# Altium PCB motordriver-v5.1.PcbDoc (part 7 of 8)
Units mil, origin at the board's own origin, x right, y up, seen from the top; angles counter-clockwise.
Board outline 4531.01 x 6141.73 mil, 6 copper layers (Top Copper, GND Layer 1, Signal Layer 1, Signal Layer 2, PWR Layer, Bottom Copper), stack 58.2 mil thick; 748 components, 531 nets, 2475 pads, 1059 vias.
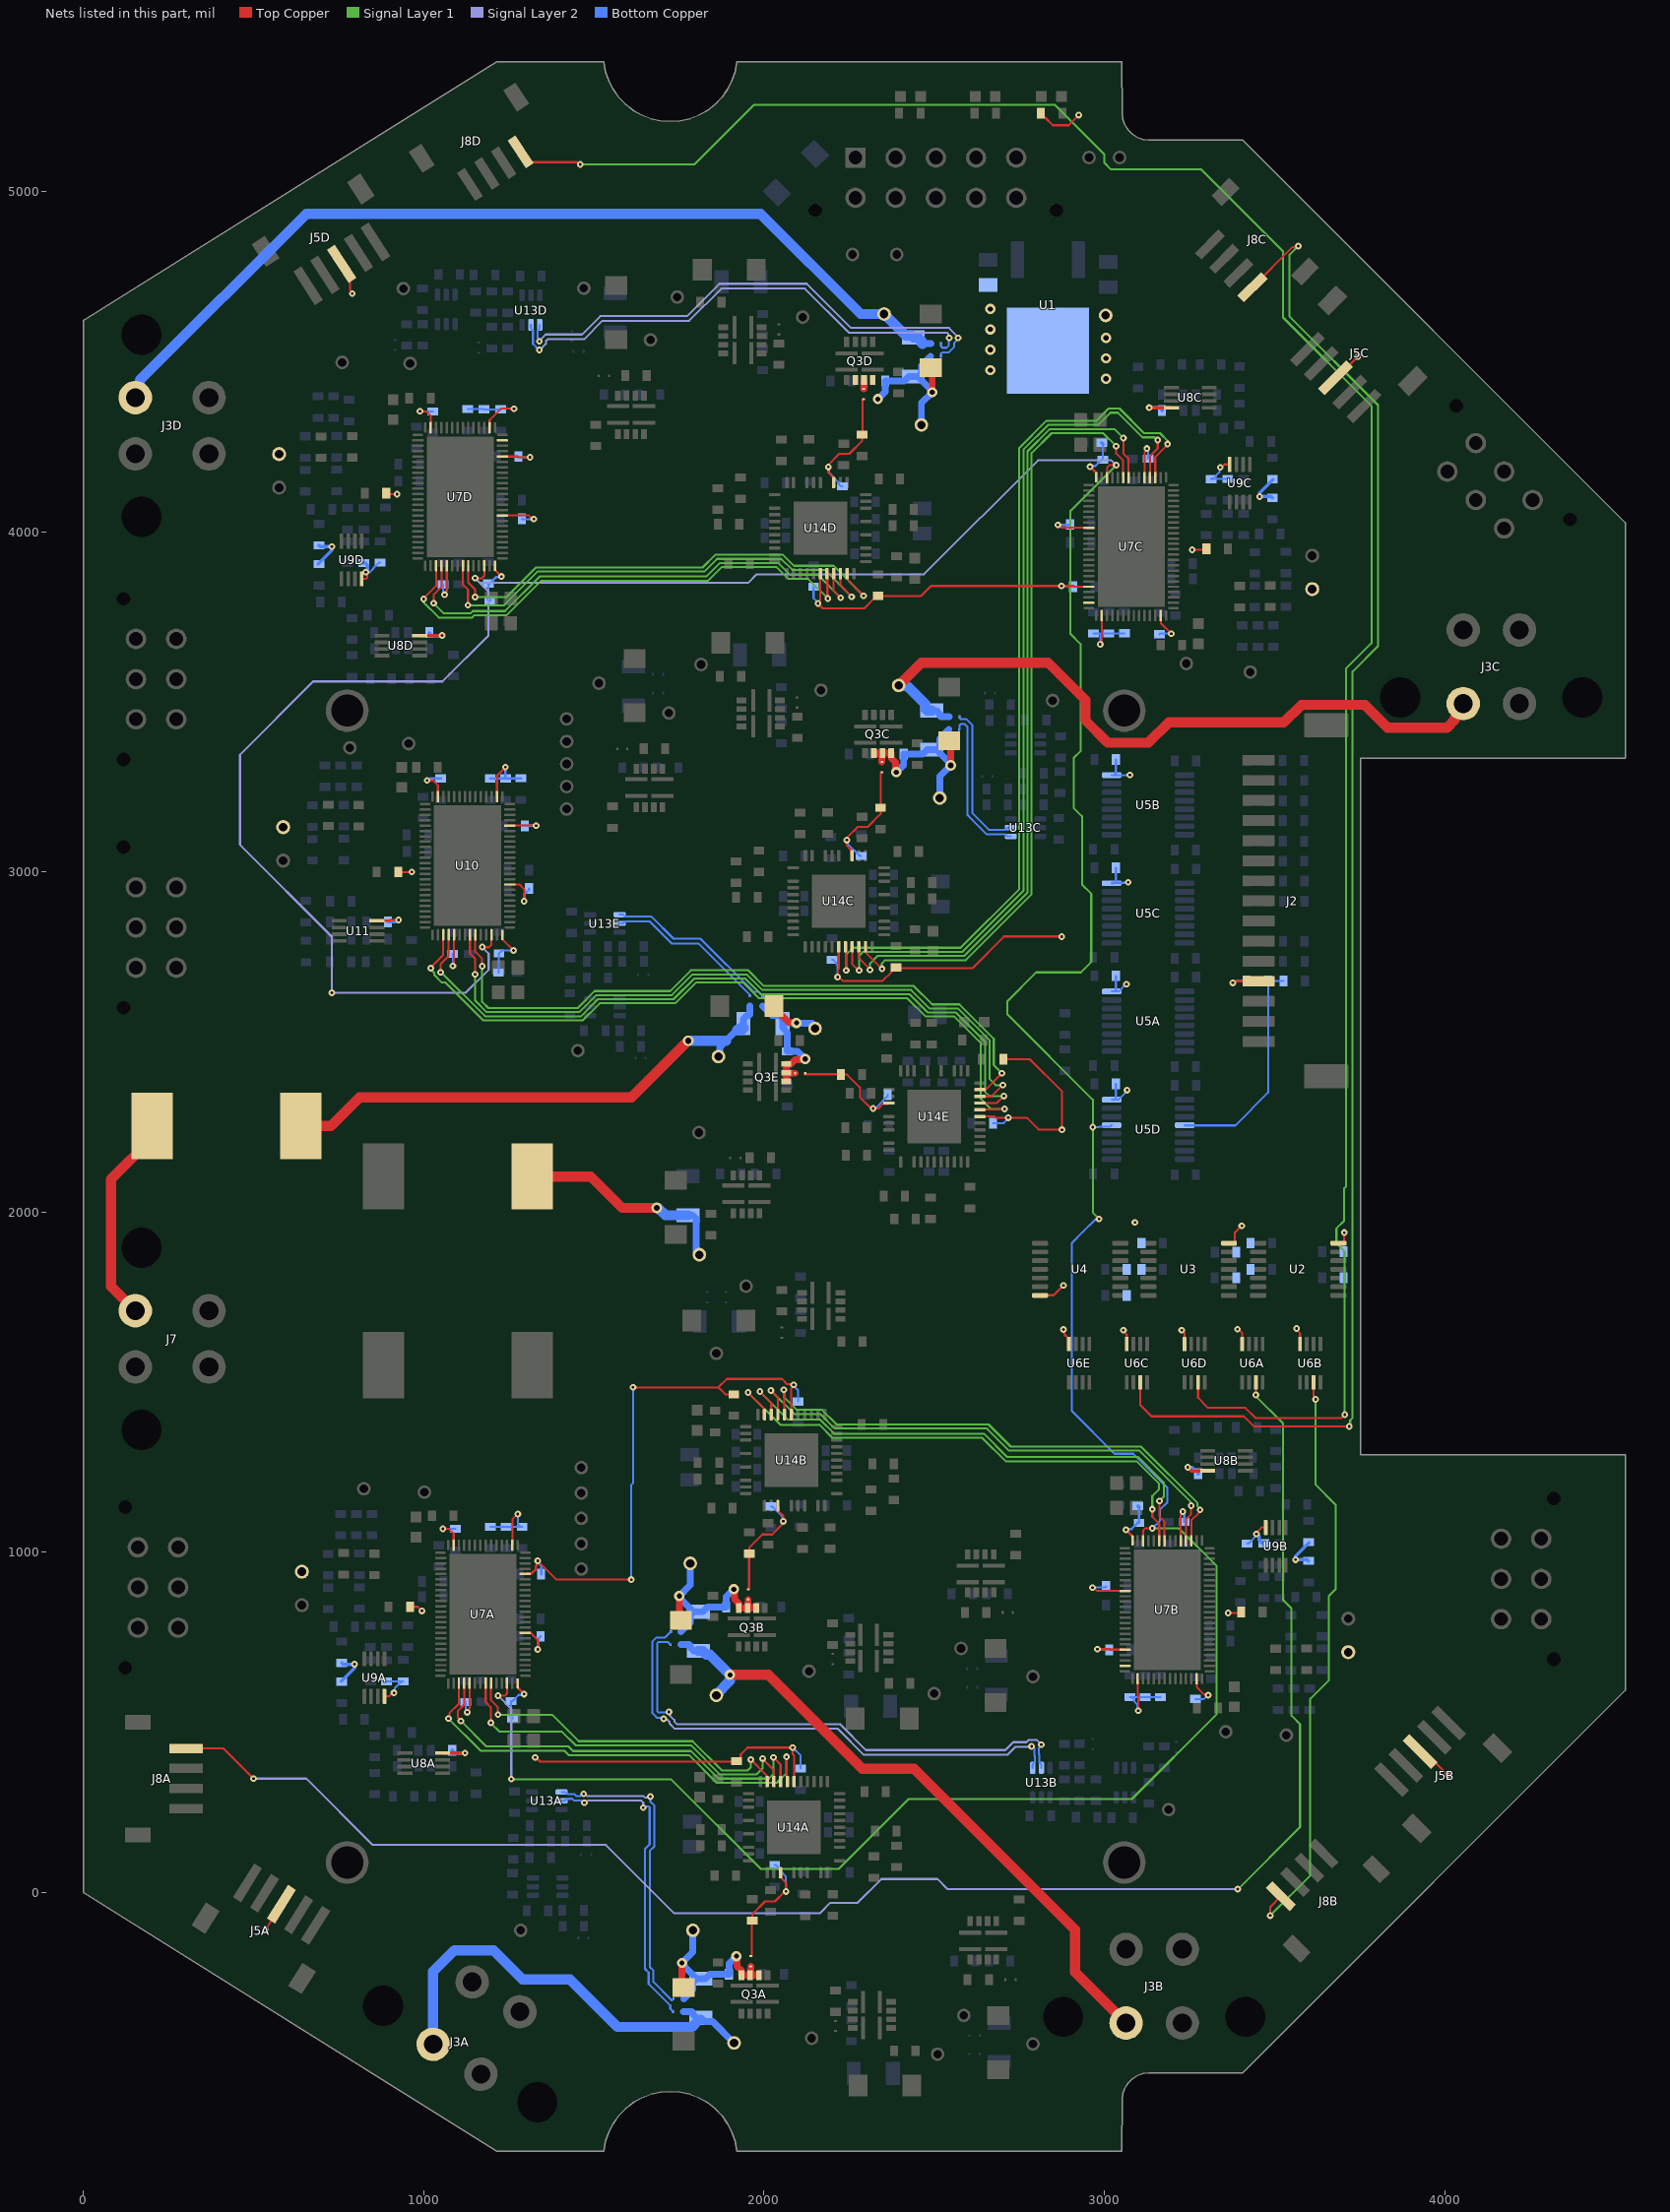
[diagram p11: the nets of this part, all layers, seen from the top]

## Via types
v1: diameter 19.68, hole 7.87, Top Copper to Bottom Copper, tented both sides, 714 vias
v2: diameter 19.68, hole 7.87, Top Copper to Bottom Copper, 243 vias
v3: diameter 30, hole 15, Top Copper to Bottom Copper, tented both sides, 73 vias
v4: diameter 31.5, hole 17.72, Top Copper to Bottom Copper, tented both sides, 29 vias

## Nets (pads, with @x,y where several pads share a name; then routed paths per layer and width w, separated by ;. In a path a pad name is that pad's centre, name@x,y a point inside that pad or via, vN(x,y) a via of type N, cw(c..) or ccw(c..) an arc to the next point about the centre after c; other vN are vias at no path point) (continued)
VDD: C2.2 C4A.2 C4B.2 C4C.2 C4D.2 C10A.2 C10B.2 C10C.2 C10D.2 C14A.2 C14B.2 C14C.2 C14D.2 C23A.2 C23B.2 C23C.2 C23D.2 C24A.2 C24B.2 C24C.2 C24D.2 C25A.2 C25B.2 C25C.2 C25D.2 C26A.2 C26B.2 C26C.2 C26D.2 C27A.2 C27B.2 C27C.2 C27D.2 C28A.2 C28B.2 C28C.2 C28D.2 C29A.2 C29B.2 C29C.2 C29D.2 C30A.2 C30B.2 C30C.2 C30D.2 C35.2 C44.2 C45.2 C46.2 C47.2 C48.2 C49.2 C50.2 C51.2 C74A.1 C74B.1 C74C.1 C74D.1 C74E.1 FB1A.1 FB1B.1 FB1C.1 FB1D.1 FB2.1 J5A.3 J5B.3 J5C.3 J5D.3 R1.1 R2.1 R3.1 R4.1 R5.1 R6.1 R7.1 R8.1 R9.1 R10.1 R11.2 R16A.2 R16B.2 R16C.2 R16D.2 R17A.2 R17B.2 R17C.2 R17D.2 R32A.1 R32B.1 R32C.1 R32D.1 R33A.1 R33B.1 R33C.1 R33D.1 R34A.1 R34B.1 R34C.1 R34D.1 R38A.2 R38B.2 R38C.2 R38D.2 R38E.2 R41.2 R42.2 TP6.1 U1.2 U2.14 U3.14 U4.14 U5A.16 U5B.16 U5C.16 U5D.16 U6A.8 U6B.8 U6C.8 U6D.8 U6E.8 U7A.2 U7A.13 U7A.43 U7A.52 U7A.61 U7A.72 U7B.2 U7B.13 U7B.43 U7B.52 U7B.61 U7B.72 U7C.2 U7C.13 U7C.43 U7C.52 U7C.61 U7C.72 U7D.2 U7D.13 U7D.43 U7D.52 U7D.61 U7D.72 U8A.8 U8B.8 U8C.8 U8D.8 U9A.8 U9B.8 U9C.8 U9D.8 U10.2 U10.13 U10.43 U10.52 U10.61 U10.72 U11.8 U14A.16 U14B.16 U14C.16 U14D.16 U14E.16 | length 12190.4
  Top Copper w6: v1(535,-110) 552.91,-81.4 J5A.3@582.1,-33.61 ; J5D.3@759.03,4787.49 783.57,4762.95 783.57,4710.13 790,4703.7 v1(790,4700) ; U9D.8@817.52,3861.86 830.16,3861.86 833.67,3865.37 833.67,3873.99 829.58,3878.08 v1(829.58,3881.07) ; U9A.8@884.52,576.86 898.83,576.86 909.1,587.12 v1(912.64,587.12) ; R17D.2@889.69,4113.82 893.17,4110.34 v1(921.88,4110.34) ; R42.2@925,3000 v1(965,3000) ; R17A.2@959.49,840.07 982.46,840.07 994.46,828.07 v1(994.99,828.07) ; v1(988.99,4354.07) 1006.99,4354.07 1020.99,4340.07 1020.99,4306.49 U7D.13@1020.45,4305.95 ; v1(1009.8,3269.23) 1027.8,3269.23 1041.8,3255.23 1041.8,3221.64 U10.13@1041.27,3221.11 ; v1(1055.99,1069.07) 1073.99,1069.07 1087.99,1055.07 1087.99,1021.49 U7A.13@1087.45,1020.95 ; v1(1060.99,3815.07) 1060.99,3819.04 1067.7,3825.75 U7D.43@1067.7,3900.44 ; v1(1085.39,2723.54) 1085.39,2727.24 1089.14,2730.99 U10.43@1089.14,2815.6 ; v1(1127.99,530.07) 1127.99,534.04 1134.7,540.75 U7A.43@1134.7,615.44 ; U7D.2@1193.68,4305.95 1193.68,4328.68 1226.78,4361.78 v1(1265.23,4361.78) ; U10.52@1230.87,2814.97 1230.87,2802.45 1263.99,2769.33 v1(1263.99,2769.07) ; U7D.61@1231.08,4048.08 1308.97,4048.08 1319.74,4037.31 v1(1323.45,4037.31) ; U10.61@1252.53,2963.23 1281.77,2963.23 1295.09,2949.91 v1(1295.09,2913.91) ; U10.72@1252.53,3136.46 1252.72,3136.26 1330.46,3136.26 v1(1330.66,3136.07) ; U7A.2@1260.68,1020.95 1260.68,1097.3 v1(1276.42,1113.04) ; v1(1327.57,397.19) 1329.85,397.19 1342.03,385 1917.76,385 R38A.2@1918.79,386.03 1922.73,386.03 1931.54,394.84 1931.54,406.54 1951.31,426.31 v1(2084.18,426.31) 2084.18,407.53 2088.06,403.65 U14A.16@2088.06,326.26 ; v1(1335,975) 1390,920 v1(1610,920) ; v1(1615,1485.07) 1865.79,1485.07 ; R38B.2@1911.32,1464.62 1886.24,1464.62 1865.79,1485.07 ; U14B.16@2080.18,1405 2080.18,1482.17 2087.12,1489.1 v1(2087.12,1492.81) 2085.63,1494.3 2068.27,1494.3 2052.57,1510 1890.72,1510 1865.79,1485.07 ; U14D.16@2165.34,3876.88 2165.34,3799.71 2158.4,3792.77 v1(2158.4,3789.07) 2172.47,3775 2294.15,3775 2331.09,3811.93 R38D.2@2335.02,3811.93 2335.89,3811.07 2461.07,3811.07 2490.78,3840.78 v1(2873.99,3840.78) ; U14C.16@2219.44,2780.19 2219.44,2715.22 2217.37,2713.14 2217.37,2692.44 v1(2216.22,2691.3) 2219.93,2691.3 2231.23,2680 2348.42,2680 2375.24,2706.82 2375.24,2710.76 2384.05,2719.57 R38C.2@2387.99,2719.57 2390.49,2717.07 2612.07,2717.07 2705.51,2810.51 2874.49,2810.51 v1(2875,2810) ; U14E.16@2634.18,2281.41 2676.84,2281.41 2680.47,2277.78 v1(2717.64,2277.78) 2771.78,2277.78 2806.28,2243.28 2874.7,2243.28 v1(2875.7,2242.28) 2875.7,2354.3 2780,2450 R38E.2@2702.99,2450 ; U4.14@2810.88,1755.3 2811.49,1755.91 2850.84,1755.91 v1(2880,1785.07) ; R11.2@2813.57,5230.01 2813.57,5226.07 2822.38,5217.26 2826.32,5217.26 2848.58,5195 2895,5195 v1(2925,5225) ; v1(2863.55,4020.14) 2867.26,4020.14 2875.63,4011.77 U7C.61@2954.9,4011.77 ; v1(2880,1655) 2882.62,1652.38 2882.62,1640.94 2895.99,1627.57 U6E.8@2895.99,1612.07 ; v1(2965.5,896.67) 2969.2,896.67 2979,886.88 U7B.61@3060.9,886.88 ; v1(2988.01,3669.19) 2988.01,3672.89 2992.3,3677.18 U7C.2@2992.3,3753.9 ; v1(3056,1653) 3056,1650.31 3065.74,1640.57 U6C.8@3065.74,1612.07 ; U7B.2@3098.3,629 3098.3,579.44 3100,577.74 v1(3100,535) ; U7C.43@3118.28,4159.41 3118.28,4234.09 3124.99,4240.8 v1(3124.99,4244.78) ; U7C.13@3165.53,3753.9 3166.11,3753.31 3166.11,3731.37 v1(3196.99,3700.49) ; U7B.43@3224.28,1034.51 3224.28,1109.2 3230.99,1115.91 v1(3230.99,1119.88) ; v1(3227.54,1653.37) 3227.54,1652.37 3235.49,1644.42 U6D.8@3235.49,1612.07 ; v1(3257.99,3946.78) 3296.78,3946.78 R17C.2@3300,3950 ; U7B.13@3271.53,629 3271.53,604.44 3292.96,583.01 3302.69,583.01 v1(3305.15,580.55) ; v1(3340.83,4189.43) 3344.53,4189.43 3353.08,4197.99 U9C.8@3368.46,4197.99 ; v1(3363.99,821.88) 3398.89,821.88 R17B.2@3402.01,825 ; U3.14@3366.1,1908.84 3379.42,1908.84 3383.28,1912.7 3383.28,1939.88 3403.06,1959.67 v1(3404,1959.67) ; v1(3391.28,1656.06) 3393.28,1656.06 3405.24,1644.11 U6A.8@3405.24,1612.07 ; v1(3446.99,1053.88) 3446.99,1058.26 3461.82,1073.1 U9B.8@3474.46,1073.1 ; v1(3564.89,1658) 3564.89,1654.3 3574.99,1644.2 U6B.8@3574.99,1612.07 ; J5C.3@3678.06,4444.69 3678.06,4448.06 v1(3745,4515) ; U2.14@3688.1,1908.84 3701.14,1908.84 3705,1912.7 v1(3705,1940) ; J5B.3@3939.69,411.94 3943.06,411.94 v1(4010,345)
  Top Copper w7: U11.8@862.31,2856.6 899.35,2856.6 901.82,2859.07 v1(926.16,2859.07) ; U7D.52@1209.43,3899.81 1209.43,3887.29 v1(1228.12,3868.59) ; U10.2@1215.12,3221.11 1215.12,3283.2 v1(1239.99,3308.07) ; U7D.72@1231.08,4221.3 1274.06,4221.3 1276.3,4219.07 v1(1311.99,4219.07) ; U7A.52@1276.43,614.81 1276.43,602.29 v1(1295.12,583.59) ; U7A.72@1298.08,936.3 1302.44,936.3 1302.52,936.39 1302.52,938.96 1317.7,938.96 1329.89,951.16 1329.89,960.47 1332.57,963.15 1332.57,972.57 v1(1335,975) ; U7A.61@1302.44,763.08 1302.52,762.99 1315.13,762.99 1335,743.12 v1(1335,715) ; v1(2873.99,3840.78) 2909.68,3840.78 2911.92,3838.54 U7C.72@2954.9,3838.54 ; v1(2957.86,4191.18) v1(2957.86,4191.18) 2976.55,4172.55 U7C.52@2976.55,4160.04 ; v1(2979.99,715.88) 3015.68,715.88 3017.92,713.65 U7B.72@3060.9,713.65 ; v1(3063.86,1066.37) 3082.55,1047.66 U7B.52@3082.55,1035.14
  Top Copper w10: U8D.8@988.29,3694.93 988.36,3695 1053.92,3695 v1(1053.99,3695.07) ; U8A.8@1055.29,409.93 1055.36,410 1120.92,410 v1(1120.99,410.07) ; v1(3131.99,4364.78) 3132.06,4364.85 3197.62,4364.85 U8C.8@3197.69,4364.92 ; v1(3245.21,1250.03) 3255.29,1239.95 3303.62,1239.95 U8B.8@3303.69,1240.03
  Bottom Copper w6: v1(829.58,3881.07) 841.51,3881.07 852.52,3892.08 852.52,3893.54 868.05,3909.07 R32D.1@871.99,3909.07 ; C14A.2@890.98,620.38 R32A.1@934.79,620.38 ; v1(912.64,587.12) 915.26,589.74 915.26,600.84 R32A.1@934.79,620.38 ; R32A.1@939.45,621.09 938.73,620.38 R32A.1@934.79,620.38 ; v1(988.99,4354.07) C25D.2@1025.99,4354.07 ; v1(1055.99,1069.07) C25A.2@1092.99,1069.07 ; C30D.2@1056.99,3845.07 1056.99,3819.07 v1(1060.99,3815.07) ; C51.2@1083.9,2759.27 1085.39,2757.78 v1(1085.39,2723.54) ; C30A.2@1123.99,560.07 1123.99,534.07 v1(1127.99,530.07) ; C24D.2@1129.26,4360.44 1176.52,4360.44 C26D.2@1176.97,4359.99 1225.8,4359.99 C23D.2@1226.03,4360.22 1227.6,4361.78 v1(1265.23,4361.78) ; C29D.2@1189.99,3848.07 1189.99,3801.73 FB1D.1@1193.6,3798.12 ; C24A.2@1195.77,1075.15 1242.19,1075.15 C26A.2@1242.37,1075.34 C23A.2@1285.05,1075.34 ; FB2.1@1219.56,2704.28 1220.99,2705.7 C50.2@1220.99,2760.57 1229.49,2769.07 v1(1263.99,2769.07) ; C29A.2@1256.99,563.07 1256.99,516.73 FB1A.1@1260.6,513.12 ; v1(1276.42,1113.04) 1276.42,1083.96 C23A.2@1285.05,1075.34 ; C28D.2@1288.46,4038.27 1289.43,4037.31 v1(1323.45,4037.31) ; v1(1295.09,2913.91) 1295.09,2935.56 1298.6,2939.07 1300.65,2939.07 1309.46,2947.89 C49.2@1309.46,2951.82 ; C48.2@1296.99,3135.07 1297.99,3136.07 v1(1330.66,3136.07) ; v1(1610,920) 1610,1198.72 1615,1203.72 v1(1615,1485.07) ; v1(2084.18,426.31) 2107.74,402.75 C74A.1@2107.74,364.76 ; v1(2087.12,1492.81) 2087.12,1490.25 2099.87,1477.5 C74B.1@2099.87,1443.5 ; C74D.1@2145.65,3838.38 2145.65,3804.38 2158.4,3791.63 v1(2158.4,3789.07) ; C74C.1@2199.76,2741.7 2203.7,2741.7 2212.51,2732.89 2212.51,2728.95 2216.22,2725.23 v1(2216.22,2691.3) ; C74E.1@2672.68,2261.73 2704.04,2261.73 2717.64,2275.33 v1(2717.64,2277.78) ; v1(2863.55,4020.14) 2897.92,4020.14 C28C.2@2899.28,4021.5 ; v1(2965.5,896.67) 3001.67,896.67 C28B.2@3005,900 ; C23C.2@2968.42,3701.1 2990.54,3701.1 ; v1(2988.01,3669.19) 2988.01,3698.57 2990.54,3701.1 ; FB1C.1@2992.38,4261.73 2995.99,4258.11 C29C.2@2995.99,4211.78 ; U5D.16@3021.5,2330.74 U5D.16@3028.53,2330.74 ; U5A.16@3021.5,2648.74 U5A.16@3028.53,2648.74 ; C4D.2@3033.99,2376.74 3033.99,2336.2 U5D.16@3028.53,2330.74 ; C4A.2@3033.99,2694.74 3033.99,2654.2 U5A.16@3028.53,2648.74 ; C4C.2@3033.99,3012.74 3033.99,2972.2 U5C.16@3030.16,2968.37 ; C4B.2@3033.99,3330.74 3033.99,3290.2 U5B.16@3028.66,3284.87 ; C24C.2@3059.27,3701.61 3059.1,3701.44 C26C.2@3013,3701.44 3012.66,3701.1 2990.54,3701.1 ; v1(3065,2670) 3063.43,2670 3042.17,2648.74 U5A.16@3028.53,2648.74 ; v1(3066.88,2358.89) 3066.88,2356.83 3040.78,2330.74 U5D.16@3028.53,2330.74 ; v1(3070,2970) 3068.37,2968.37 U5C.16@3030.16,2968.37 ; C23B.2@3075,575 C23B.2@3078.94,575 ; v1(3075,3285) 3074.87,3284.87 U5B.16@3028.66,3284.87 ; FB1B.1@3098.38,1136.84 3101.99,1133.22 C29B.2@3101.99,1086.88 ; v1(3100,535) 3097.38,537.62 3097.38,552.62 3087.75,562.25 3087.75,566.19 C23B.2@3078.94,575 ; v1(3124.99,4244.78) 3128.99,4240.78 C30C.2@3128.99,4214.78 ; C25C.2@3161.77,3698.95 3163.32,3700.49 v1(3196.99,3700.49) ; C24B.2@3165,575 C26B.2@3120,575 C23B.2@3078.94,575 ; v1(3230.99,1119.88) 3234.99,1115.88 C30B.2@3234.99,1089.88 ; C25B.2@3268.02,569.24 3292.77,569.24 3304.08,580.55 v1(3305.15,580.55) ; R32C.1@3313.99,4154.66 3315.96,4156.63 3319.9,4156.63 3338.21,4174.94 3338.21,4186.82 v1(3340.83,4189.43) ; R32C.1@3317.93,4155.38 C14C.2@3362.45,4155.38 ; R32B.1@3419.99,1025.88 3423.93,1025.88 3439.46,1041.41 3439.46,1042.87 3446.99,1050.41 v1(3446.99,1053.88) ; C23A.2@1285.05,1075.34 1288.97,1075.34 C23A.2@1289.16,1075.15 1285.23,1075.15 C23A.2@1285.05,1075.34 ; U5B.16@3028.66,3284.87 3028.53,3284.74 U5B.16@3021.5,3284.74 3021.63,3284.87 U5B.16@3028.66,3284.87 ; U5C.16@3030.16,2968.37 3028.53,2966.74 U5C.16@3021.5,2966.74 3023.13,2968.37 U5C.16@3030.16,2968.37
  Bottom Copper w7: C35.2@894.98,2853.07 918.56,2853.07 924.56,2859.07 v1(926.16,2859.07) ; v1(1009.8,3269.23) 1013.23,3269.23 1019.01,3275 C46.2@1050,3275 ; C29D.2@1189.99,3848.07 1193.93,3848.07 1212.02,3866.16 1225.7,3866.16 v1(1228.12,3868.59) ; C47.2@1195,3275 1285.64,3275 C45.2@1285.89,3275.25 ; v1(1239.99,3308.07) 1239.99,3275.74 C44.2@1240.7,3275.02 ; C29A.2@1256.99,563.07 1260.93,563.07 1279.02,581.16 1292.7,581.16 v1(1295.12,583.59) ; C27D.2@1277.99,4221.07 1279.99,4219.07 v1(1311.99,4219.07) ; v1(1335,715) 1335,744.99 C28A.2@1343.28,753.27 ; v1(1335,975) 1335,972.32 1345,962.32 C27A.2@1344.99,936.07 ; v1(2873.99,3840.78) 2905.99,3840.78 C27C.2@2907.99,3838.78 ; v1(2957.86,4191.18) 2960.28,4193.61 2973.89,4193.61 2992.05,4211.78 C29C.2@2995.99,4211.78 ; v1(2979.99,715.88) 3011.99,715.88 C27B.2@3013.99,713.88 ; v1(3063.86,1066.37) 3066.28,1068.79 3079.96,1068.79 3098.05,1086.88 C29B.2@3101.99,1086.88
  Bottom Copper w10: R34D.1@690.66,3906.4 729.68,3945.42 v1(729.68,3956.37) 695.7,3956.37 R33D.1@691.99,3960.08 ; R34A.1@757.66,621.4 796.68,660.42 v1(796.68,671.37) 762.7,671.37 R33A.1@758.99,675.08 ; C14D.2@823.53,3908.35 827.46,3908.35 834.27,3901.54 834.27,3881.54 830.05,3881.54 v1(829.58,3881.07) ; C10D.2@1016.44,3703.63 1016.44,3701.88 1023.25,3695.07 v1(1053.99,3695.07) ; C10A.2@1083.44,418.63 1083.44,416.88 1090.25,410.07 v1(1120.99,410.07) ; FB1D.1@1189.67,3802.05 FB1D.1@1193.6,3798.12 ; FB1A.1@1256.67,517.05 FB1A.1@1260.6,513.12 ; FB1C.1@2992.38,4261.73 FB1C.1@2996.31,4257.79 ; FB1B.1@3098.38,1136.84 FB1B.1@3102.31,1132.9 ; v1(3131.99,4364.78) 3162.73,4364.78 3169.54,4357.97 C10C.2@3169.54,4356.22 ; v1(3245.21,1250.03) 3258.58,1250.03 3275.54,1233.07 C10B.2@3275.54,1231.33 ; v1(3446.99,1053.88) 3454.46,1046.42 3454.46,1036.66 3464.52,1026.6 C14B.2@3468.45,1026.6 ; R33C.1@3493.99,4099.77 3490.28,4103.47 v1(3456.3,4103.47) 3456.3,4114.42 R34C.1@3495.32,4153.45 ; R33B.1@3599.99,974.88 3596.28,978.58 v1(3562.3,978.58) 3562.3,989.53 R34B.1@3601.32,1028.55
  other v1: 3090,1970
  other v3: 3005,4450 2665,4475 3005,4510 2665,4535 3005,4570 2665,4595 2665,4655
VE: L2.2 R66E.1 TP15E.1 | length 643
  Top Copper w30: L2.2@1318.49,2105.07 1490.93,2105.07 1583.52,2012.48 v4(1684.99,2012.48)
  Bottom Copper w20: v4(1684.99,2012.48) v4@1688.1,2012.48 ; R66E.1@1776.66,1991.04 1789.85,1991.04 1800.52,1980.37 1800.52,1884.48 TP15E.1@1810,1875
  Bottom Copper w30: v4@1688.1,2012.48 1709.54,1991.04 R66E.1@1776.66,1991.04
VHA: U7A.41 U14A.17 | length 1321.8
  Top Copper w6: v1(1072.6,511.45) 1075.41,514.26 1075.41,527.64 1103.2,555.43 U7A.41@1103.2,615.44 ; v1(2065.99,399.07) 2067.18,397.88 2067.18,327.45 U14A.17@2068.37,326.26
  Signal Layer 1 w6: v1(1072.6,511.45) 1167.27,416.78 1413.22,416.78 1425.95,404.05 1779.73,404.05 1861,322.79 2037.79,322.79 2065.99,350.99 v1(2065.99,399.07)
VHB: U7B.41 U14B.17 | length 1563.8
  Top Copper w6: v1(2058.12,1477.81) 2059.31,1476.62 2059.31,1406.19 U14B.17@2060.5,1405 ; U7B.41@3255.78,1034.51 3255.78,1094.52 3276.49,1115.23 3276.49,1116.43 3281.16,1121.11 v1(3281.16,1125.08)
  Signal Layer 1 w6: v1(2058.12,1477.81) 2060,1475.92 2060,1455 2096,1419 2170.14,1419 2213.14,1376 2659.91,1376 2724.91,1311 3108.13,1311 3273.97,1145.15 3273.97,1135.96 3281.16,1128.78 v1(3281.16,1125.08)
VHC: U7C.41 U14C.17 | length 2647.7
  Top Copper w6: U14C.17@2239.13,2780.19 2240.32,2779 2240.32,2712.03 v1(2241.51,2710.84) ; U7C.41@3149.78,4159.41 3149.78,4219.41 3185.99,4255.62 v1(3185.99,4257.78)
  Signal Layer 1 w6: v1(2241.51,2710.84) 2241.51,2756.51 2262.31,2777.31 2577.61,2777.31 2749.96,2949.66 2749.96,4246.42 2829.93,4326.39 2976.69,4326.39 3012.61,4362.31 3044.66,4362.31 3116.93,4290.04 3163.51,4290.04 3185.99,4267.56 v1(3185.99,4257.78)
VHD: U7D.41 U14D.17 | length 1502.3
  Top Copper w6: v1(999.99,3802.07) 999.99,3804.22 1036.2,3840.43 U7D.41@1036.2,3900.44 ; U14D.17@2185.02,3876.88 2186.21,3875.69 2186.21,3805.26 v1(2187.4,3804.07)
  Signal Layer 1 w6: v1(999.99,3802.07) 999.99,3792.29 1044.28,3748 1142.35,3748 1149.2,3754.84 1243.93,3754.84 1345.5,3856.42 1835.5,3856.42 1875.31,3896.23 2036.63,3896.23 2071.41,3861.45 2130.02,3861.45 v1(2187.4,3804.07)
VHE: U10.41 U14E.17 | length 2238.5
  Top Copper w6: v1(1020.8,2717.23) 1020.8,2719.38 1057.01,2755.59 U10.41@1057.01,2815.6 ; U14E.17@2634.18,2301.1 2635.37,2302.29 2705.8,2302.29 v1(2706.99,2303.48)
  Signal Layer 1 w6: v1(1020.8,2717.23) 1020.8,2713.52 1030.96,2703.37 1030.96,2697.29 1053.24,2675 1064.09,2675 1175.09,2564 1467.23,2564 1517.23,2614 1739,2614 1800,2675 1939.09,2675 1985.09,2629 2421,2629 2475,2575 2559.09,2575 2637.39,2496.7 2637.39,2332.62 2666.53,2303.48 v1(2706.99,2303.48)
VLA: U7A.42 U14A.18 | length 1244.8
  Top Copper w6: v1(1109.26,504.53) 1109.26,506.06 1100,515.32 1100,533.85 1118.95,552.8 U7A.42@1118.95,615.44 ; v1(2027.99,397.07) 2048.69,376.37 U14A.18@2048.69,326.26
  Signal Layer 1 w6: v1(1109.26,504.53) 1183.79,430 1425,430 1438.95,416.05 1785.01,416.05 1866.06,335 2014,335 2027.99,348.99 v1(2027.99,397.07)
VLB: U7B.42 U14B.18 | length 1569.3
  Top Copper w6: v1(2020.12,1475.81) 2040.81,1455.11 U14B.18@2040.81,1405 ; U7B.42@3240.03,1034.51 3240.03,1097.15 3255.13,1112.26 v1(3255.13,1137.16)
  Signal Layer 1 w6: v1(2020.12,1475.81) 2088.92,1407 2165.17,1407 2208.17,1364 2654.94,1364 2719.94,1299 3103.15,1299 3252.74,1149.42 3252.74,1139.55 v1(3255.13,1137.16)
VLC: U7C.42 U14C.18 | length 2573.2
  Top Copper w6: U14C.18@2258.81,2780.19 2258.81,2730.08 2278.05,2710.84 v1(2279.51,2710.84) ; U7C.42@3134.03,4159.41 3134.03,4222.05 3156.99,4245.01 v1(3156.99,4269.91)
  Signal Layer 1 w6: v1(2279.51,2710.84) 2279.51,2753.78 2290.73,2765 2582.71,2765 2762.27,2944.56 2762.27,4241.32 2835.03,4314.08 2981.79,4314.08 3017.71,4350 3040,4350 3112.27,4277.73 3149.17,4277.73 v1(3156.99,4269.91)
VLD: U7D.42 U14D.18 | length 1511.9
  Top Copper w6: v1(1028.99,3789.93) 1028.99,3814.84 1051.95,3837.8 U7D.42@1051.95,3900.44 ; U14D.18@2204.71,3876.88 2204.71,3826.76 v1(2225.4,3806.07)
  Signal Layer 1 w6: v1(1028.99,3789.93) 1058.92,3760 1137.38,3760 1144.22,3766.84 1238.96,3766.84 1340.53,3868.42 1830.53,3868.42 1870.34,3908.23 2041.77,3908.23 2076.55,3873.45 2158.02,3873.45 v1(2225.4,3806.07)
VLE: U10.42 U14E.18 | length 2183.5
  Top Copper w6: v1(1049.8,2705.09) 1049.8,2729.99 1072.76,2752.95 U10.42@1072.76,2815.6 ; U14E.18@2634.18,2320.78 2684.3,2320.78 v1(2704.99,2341.48)
  Signal Layer 1 w6: v1@1050.39,2705.67 1180.06,2576 1462.26,2576 1512.26,2626 1734.03,2626 1795.03,2687 1944.06,2687 1990.06,2641 2427.03,2641 2481.03,2587 2564.06,2587 2649.39,2501.67 2649.39,2353.74 2661.65,2341.48 v1(2704.99,2341.48)
W_FBKA: C71A.2 NT5A.2 R71A.1 U14A.32 | length 404.6
  Top Copper w6: NT5A.2@1963.99,-186.93 R71A.1@1963.99,-82.43 ; R71A.1@1964.99,-82.43 1964.99,-63.93 2002.99,-25.93 2031.99,-25.93 v1@2061.4,3.48 ; U14A.32@2048.69,58.54 2051.11,56.12 2051.11,41.95 2064.53,28.53 2064.53,9 2061.72,6.19 v1(2064.43,3.48)
  Bottom Copper w6: C71A.2@2031.21,80.76 2035.14,80.76 2043.96,71.95 2043.96,68.01 2064.43,47.55 v1(2064.43,3.48)
W_FBKB: C71B.2 NT5B.2 R71B.1 U14B.32 | length 371.4
  Top Copper w6: NT5B.2@1956.12,891.81 R71B.1@1956.12,996.31 ; R71B.1@1957.12,996.31 1957.12,1014.81 1995.12,1052.81 2024.12,1052.81 2053.84,1082.54 2053.84,1088.58 v1(2056.65,1091.39) 2056.65,1107.27 2043.23,1120.69 2043.23,1134.86 U14B.32@2040.81,1137.28
  Bottom Copper w6: C71B.2@2020,1135 2023.94,1135 2054.04,1104.9 2054.04,1094.01 v1(2056.65,1091.39)
W_FBKC: C71C.2 NT5C.2 R71C.1 U14C.32 | length 376.8
  Top Copper w6: U14C.32@2258.81,3047.91 2256.39,3050.33 2256.39,3064.5 2242.97,3077.92 v1(2242.97,3093.8) 2245.78,3096.61 2245.78,3102.66 2275.51,3132.39 2304.51,3132.39 2342.51,3170.39 R71C.1@2342.51,3188.88 ; R71C.1@2343.51,3188.88 NT5C.2@2343.51,3293.39
  Bottom Copper w6: v1(2242.97,3093.8) 2245.59,3091.18 2245.59,3082.48 2281.06,3047.01 C71C.2@2285,3047.01
W_FBKD: C71D.2 NT5D.2 R71D.1 U14D.32 | length 388.1
  Top Copper w6: U14D.32@2204.71,4144.59 2202.29,4147.01 2202.29,4161.18 2188.86,4174.61 v1(2188.86,4190.49) 2191.67,4193.3 2191.67,4199.34 2221.4,4229.07 2250.4,4229.07 2288.4,4267.07 R71D.1@2288.4,4285.56 ; R71D.1@2289.4,4285.56 2289.4,4387.07 NT5D.2@2292.4,4390.07
  Bottom Copper w6: v1(2188.86,4190.49) 2191.48,4187.87 2191.48,4172.66 2217.92,4146.22 2217.92,4142.29 2226.73,4133.47 C71D.2@2230.67,4133.47
W_FBKE: C71E.2 NT5E.2 R71E.1 U14E.32 | length 371.6
  Top Copper w6: NT5E.2@2120.99,2405.48 R71E.1@2225.49,2405.48 ; R71E.1@2225.49,2404.48 2243.99,2404.48 2281.99,2366.48 2281.99,2337.48 2311.72,2307.75 2317.76,2307.75 v1(2320.57,2304.94) 2336.45,2304.94 2349.87,2318.36 2364.04,2318.36 U14E.32@2366.47,2320.78
  Bottom Copper w6: v1(2320.57,2304.94) 2323.19,2307.56 2329.49,2307.56 2362.99,2341.06 C71E.2@2362.99,2345
W_L3: J7.3 L3.1 | length 621.7
  Top Copper w30: J7.3@152.45,1710.42 81.51,1781.37 81.51,2096.67 201.49,2216.65 L3.1@201.49,2253.07
W_SENSEA_N: NT6A.1 U13A.5 | length 928.2
  Signal Layer 2 w6: v1(1472.32,264.46) 1476.03,264.46 1481.82,270.25 1639.5,270.25 1645.05,264.7 1645.05,250.05 v1(1645,250)
  Bottom Copper w6: U13A.5@1405,270 1415.35,270 1421.15,275.8 1436.51,275.8 1442.05,270.25 1462.83,270.25 1468.62,264.46 v1(1472.32,264.46) ; v1(1645,250) 1647.62,252.62 1654.61,252.62 1655.36,253.37 1660.33,253.37 1663.84,249.85 1663.84,142.04 1650,128.2 1650,-224 1661,-235 1661,-268.34 1724.5,-331.85 1724.5,-341.45 NT6A.1@1732.99,-349.93
W_SENSEA_P: NT7A.1 U13A.4 | length 917.6
  Signal Layer 2 w6: v1(1470,290.04) 1473.7,290.04 1479.49,284.25 1645.3,284.25 1650.47,279.08 1655.44,279.08 1656.19,279.83 1663.18,279.83 v1(1665.8,282.45)
  Bottom Copper w6: U13A.4@1405,295.59 1415.35,295.59 1421.15,289.8 1442.31,289.8 1447.85,284.25 1460.5,284.25 1466.29,290.04 v1(1470,290.04) ; v1(1665.8,282.45) 1665.75,282.4 1665.75,267.75 1677.84,255.65 1677.84,136.24 1664,122.4 1664,-218.2 1675,-229.2 1675,-262.54 1729.19,-316.73 NT7A.1@1733.99,-311.93